# KiCad board hackboard.kicad_pcb (continued)
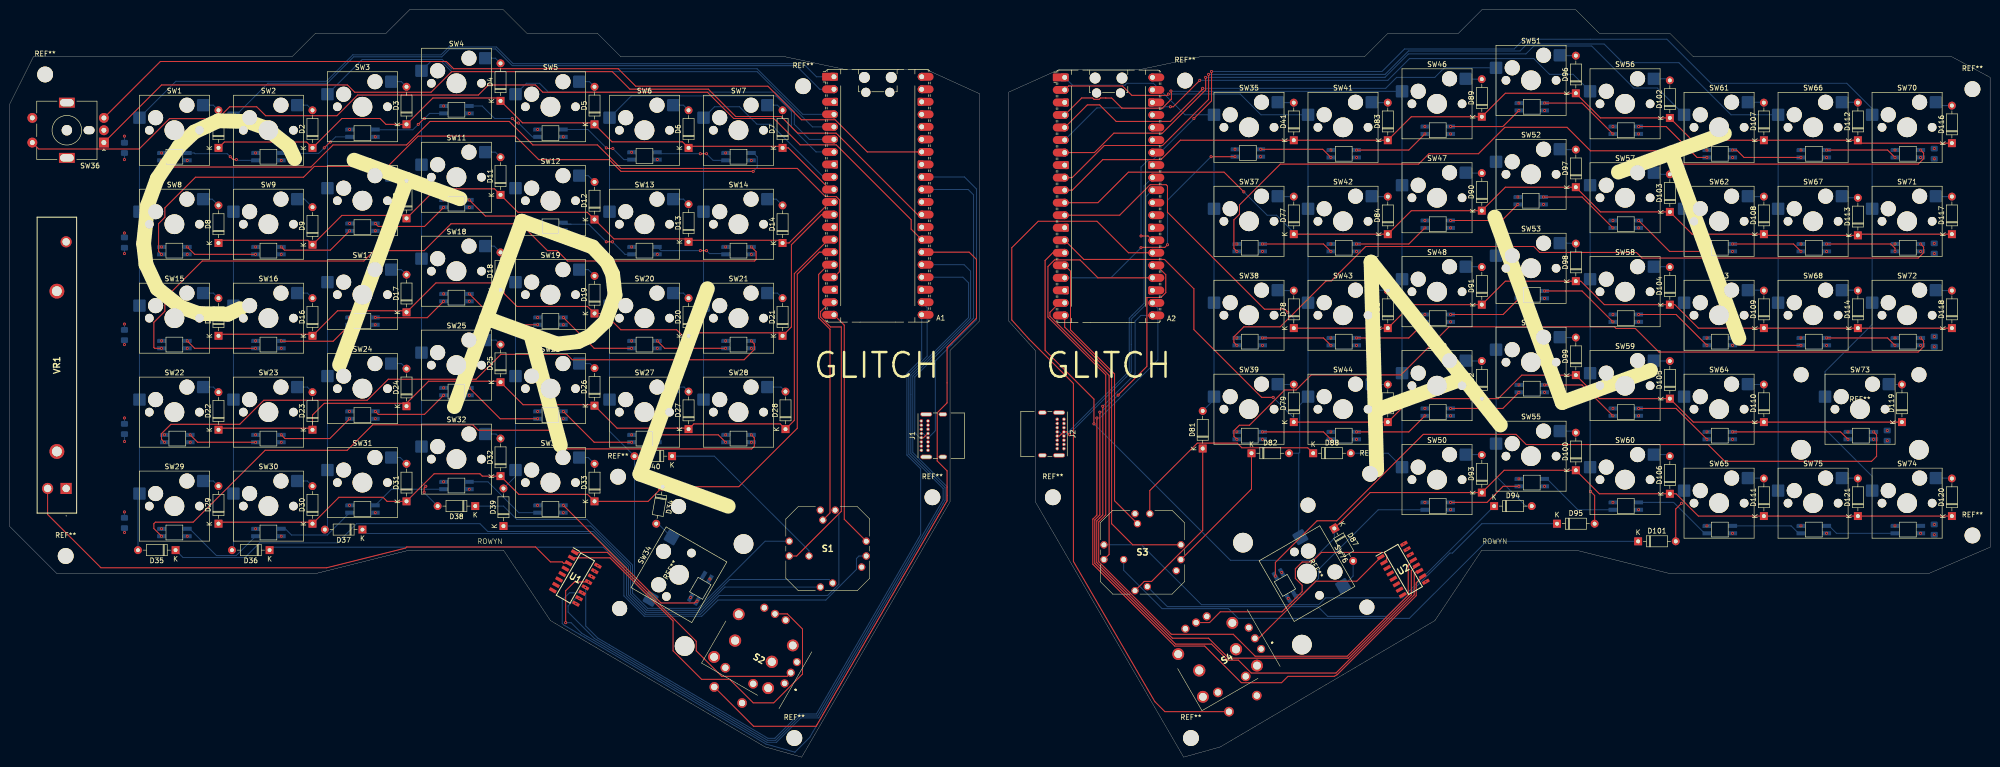
[diagram p0: board, top side]
## Footprints (pads in the part's own frame, mm; a bottom-side part is the same pattern mirrored in y, then rotated)
C_0805_2012Metric_Pad1.18x1.45mm_HandSolder
  rrect 1.175x1.45 smd: 1(-1.038,0) 2(1.038,0)
D_DO-35_SOD27_P7.62mm_Horizontal
  rect 1.6x1.6 hole 0.8: 1(0,0)
  oval 1.6x1.6 hole 0.8: 2(7.62,0)
Hotswap_MX_1.00u
  round 1.75 hole 1.75 unplated: (-5.08,0) (5.08,0)
  round 3.05 hole 3.05 unplated: (-3.81,2.54) (2.54,5.08)
  round 4 hole 4 unplated: (0,0)
  rrect 2.55x2.5 smd far side: 1(-7.085,2.54) 2(5.842,5.08)
Hotswap_MX_2.00u
  round 1.75 hole 1.75 unplated: (-5.08,0) (5.08,0)
  round 3.05 hole 3.05 unplated: (-3.81,2.54) (2.54,5.08)
  round 4 hole 4 unplated: (0,0)
  rrect 2.55x2.5 smd far side: 1(-7.085,2.54) 2(5.842,5.08)
MountingHole_3.2mm_M3
  round 3.2 hole 3.2 unplated: (0,0)
RaspberryPi_Pico_Common_Unspecified
  round 2.2 hole 2.2 unplated: (-2.725,24) (2.725,24)
  round 1.85 hole 1.85 unplated: (-2.425,20.97) (2.425,20.97)
  custom 3.2x1.6 smd: 1(-9.69,24.13) 3(-9.69,19.05) 8(-9.69,6.35) 13(-9.69,-6.35) 18(-9.69,-19.05) 23(9.69,-19.05) 28(9.69,-6.35) 33(9.69,6.35) 38(9.69,19.05)
  rrect 1.6x1.6 hole 1: 1(-8.89,24.13)
  rrect 3.2x1.6 smd: 2(-9.69,21.59) 4(-9.69,16.51) 5(-9.69,13.97) 6(-9.69,11.43) 7(-9.69,8.89) 9(-9.69,3.81) 10(-9.69,1.27) 11(-9.69,-1.27) 12(-9.69,-3.81) 14(-9.69,-8.89) 15(-9.69,-11.43) 16(-9.69,-13.97) 17(-9.69,-16.51) 19(-9.69,-21.59) 20(-9.69,-24.13) 21(9.69,-24.13) 22(9.69,-21.59) 24(9.69,-16.51) 25(9.69,-13.97) 26(9.69,-11.43) 27(9.69,-8.89) 29(9.69,-3.81) 30(9.69,-1.27) 31(9.69,1.27) 32(9.69,3.81) 34(9.69,8.89) 35(9.69,11.43) 36(9.69,13.97) 37(9.69,16.51) 39(9.69,21.59) 40(9.69,24.13)
  round 1.6 hole 1: 2(-8.89,21.59) 4(-8.89,16.51) 5(-8.89,13.97) 6(-8.89,11.43) 7(-8.89,8.89) 9(-8.89,3.81) 10(-8.89,1.27) 11(-8.89,-1.27) 12(-8.89,-3.81) 14(-8.89,-8.89) 15(-8.89,-11.43) 16(-8.89,-13.97) 17(-8.89,-16.51) 19(-8.89,-21.59) 20(-8.89,-24.13) 21(8.89,-24.13) 22(8.89,-21.59) 24(8.89,-16.51) 25(8.89,-13.97) 26(8.89,-11.43) 27(8.89,-8.89) 29(8.89,-3.81) 30(8.89,-1.27) 31(8.89,1.27) 32(8.89,3.81) 34(8.89,8.89) 35(8.89,11.43) 36(8.89,13.97) 37(8.89,16.51) 39(8.89,21.59) 40(8.89,24.13)
  custom 1.6x1.6 hole 1: 3(-8.89,19.05) 8(-8.89,6.35) 13(-8.89,-6.35) 18(-8.89,-19.05) 23(8.89,-19.05) 28(8.89,-6.35) 33(8.89,6.35) 38(8.89,19.05)
RKJXT1F42001
  round 1.5 hole 1: 1(-1.5,-7.8) 2(1,-6.98) 3(6.86,-3.75) 4(7.8,-1.5) 5(7.8,1.5) 6(1.5,7.8) 7(-1,5.78) 8(-1.5,7.8) 9(-7.8,1.5) 10(-7.8,-1.5) 11(-3.8,-1.5)
RKJXV122400R
  round 1.95 hole 1.3: A1(-11.98,-3.25) B1(-11.98,-7.75) C1(-5.48,-3.25) D1(-5.48,-7.75)
  round 1.65 hole 1.1: A11(0,0) A12(0,2.5) A13(0,5) B11(-6.23,11.23) B12(-8.73,11.23) B13(-11.23,11.23)
  round 2.4 hole 1.6: MH1(-15.055,-2.5) MH2(-15.055,7.5) MH3(-2.405,-2.5) MH4(-2.405,7.5)
  round 2.475 hole 1.65: MH5(-13.03,2.5) MH6(-4.43,2.5)
RKJXV122400R#2
  round 1.95 hole 1.3: A1(-11.98,-3.25) B1(-11.98,-7.75) C1(-5.48,-3.25) D1(-5.48,-7.75)
  round 1.65 hole 1.1: A11(0,0) A12(0,2.5) A13(0,5) B11(-6.23,11.23) B12(-8.73,11.23) B13(-11.23,11.23)
  round 2.4 hole 1.6: MH1(-15.055,-2.5) MH2(-15.055,7.5) MH3(-2.405,-2.5) MH4(-2.405,7.5)
  round 2.475 hole 1.65: MH5(-13.03,2.5) MH6(-4.43,2.5)
RotaryEncoder_Alps_EC11E-Switch_Vertical_H20mm_MountingHoles
  oval 2.2x1.6 hole 2.2x1.6 unplated: (3,-2.5)
  round 2.1 hole 2.1 unplated: (7.5,-2.5)
  rect 2x2 hole 1: A(0,0)
  round 2 hole 1: B(0,-5) C(0,-2.5) S1(14.5,-5) S2(14.5,0)
  rect 3.2x2 hole 2.8x1.5: MP(7.5,3.1) MP(7.5,-8.1)
RS45111A900F
  rect 2.25x2.25 hole 1.5: 1(0,0)
  round 2.25 hole 1.5: 2(0,3.75) 3(50,0)
  round 3 hole 2: 4(7.5,1.875) 5(40,1.875)
SK6812MINI-E
  rect 1.8x0.82 smd: 1(-2.6,0.75) 3(2.6,-0.75) 4(-2.6,-0.75)
  rrect 1.8x0.82 smd: 2(2.6,0.75)
SK6812MINI-E#2
  rect 1.8x0.82 smd: 1(-2.6,0.75) 3(2.6,-0.75) 4(-2.6,-0.75)
  rrect 1.8x0.82 smd: 2(2.6,0.75)
SOIC127P600X175-16N
  rect 1.5x0.65 smd: 1(-2.7,4.445) 2(-2.7,3.175) 3(-2.7,1.905) 4(-2.7,0.635) 5(-2.7,-0.635) 6(-2.7,-1.905) 7(-2.7,-3.175) 8(-2.7,-4.445) 9(2.7,-4.445) 10(2.7,-3.175) 11(2.7,-1.905) 12(2.7,-0.635) 13(2.7,0.635) 14(2.7,1.905) 15(2.7,3.175) 16(2.7,4.445)
Stabilizer_MX_2.00u
  round 3.048 hole 3.048 unplated: (-11.938,6.985) (11.938,6.985)
  round 3.988 hole 3.988 unplated: (-11.938,-8.225) (11.938,-8.225)
USB_C_Receptacle_GCT_USB4085
  round 0.7 hole 0.4: A1(0,0) A4(0.85,0) A5(1.7,0) A6(2.55,0) A7(3.4,0) A8(4.25,0) A9(5.1,0) A12(5.95,0) B1(5.95,-1.35) B4(5.1,-1.35) B5(4.25,-1.35) B6(3.4,-1.35) B7(2.55,-1.35) B8(1.7,-1.35) B9(0.85,-1.35) B12(0,-1.35)
  oval 0.9x2.4 hole 0.6x2.1: S1(-1.35,-0.98) S1(7.3,-0.98)
  oval 0.9x1.7 hole 0.6x1.4: S1(-1.35,-4.36) S1(7.3,-4.36)

## Nets
+3V3: A1.36 A1.39 A2.36 A2.39
+5V: A1.40 A2.40 C35.1 C36.1 C37.1 C38.1 C39.1 C40.1 C41.1 C42.1 C43.1 C44.1 D42.4 D43.4 D44.4 D45.4 D46.4 D47.4 D48.4 D49.4 D50.4 D51.4 D52.4 D53.4 D54.4 D55.4 D56.4 D57.4 D58.4 D59.4 D60.4 D61.4 D62.4 D63.4 D64.4 D65.4 D66.4 D67.4 D68.4 D69.4 D70.4 D71.4 D72.4 D73.4 D74.4 D75.4 D80.4 D115.4 D122.4 D123.4 D124.4 D125.4 D126.4 D127.4 D128.4 D129.4 D132.4 D133.4 D134.4 D135.4 D136.4 D137.4 D138.4 D139.4 D140.4 D141.4 D144.4 D145.4 D146.4 D147.4 D148.4 D149.4 D150.4 D151.4 D152.4 D153.4 D154.4 D155.4 D156.4 D157.4 D158.4 D159.4 D160.4 D161.4 J1.A4 J1.A9 J1.B4 J1.B9 J2.A4 J2.A9 J2.B4 J2.B9 S2.A11 S2.B11 S4.A11 S4.B11 U1.15 U1.16 U2.15 U2.16 VR1.1
GND: A1.3 A1.8 A1.13 A1.18 A1.23 A1.28 A1.38 A2.3 A2.8 A2.13 A2.18 A2.23 A2.28 A2.38 C35.2 C36.2 C37.2 C38.2 C39.2 C40.2 C41.2 C42.2 C43.2 C44.2 D42.2 D43.2 D44.2 D45.2 D46.2 D47.2 D48.2 D49.2 D50.2 D51.2 D52.2 D53.2 D54.2 D55.2 D56.2 D57.2 D58.2 D59.2 D60.2 D61.2 D62.2 D63.2 D64.2 D65.2 D66.2 D67.2 D68.2 D69.2 D70.2 D71.2 D72.2 D73.2 D74.2 D75.2 D80.2 D115.2 D122.2 D123.2 D124.2 D125.2 D126.2 D127.2 D128.2 D129.2 D132.2 D133.2 D134.2 D135.2 D136.2 D137.2 D138.2 D139.2 D140.2 D141.2 D144.2 D145.2 D146.2 D147.2 D148.2 D149.2 D150.2 D151.2 D152.2 D153.2 D154.2 D155.2 D156.2 D157.2 D158.2 D159.2 D160.2 D161.2 J1.A1 J1.A12 J1.B1 J1.B12 J1.S1 J2.A1 J2.A12 J2.B1 J2.B12 J2.S1 S1.3 S1.8 S2.A13 S2.B13 S2.C1 S3.3 S3.8 S4.A13 S4.B13 S4.C1 SW36.C SW36.S1 U1.9 U1.14 U2.9 U2.14 VR1.3
COL0: A1.1 D35.2 SW1.1 SW8.1 SW15.1 SW22.1 SW29.1
COL0b: A2.1 D81.2 SW35.1 SW37.1 SW38.1 SW39.1
COL1: A1.2 D36.2 SW2.1 SW9.1 SW16.1 SW23.1 SW30.1
COL1b: A2.2 D82.2 SW41.1 SW42.1 SW43.1 SW44.1 SW76.1
COL2: A1.4 D37.2 SW3.1 SW10.1 SW17.1 SW24.1 SW31.1
COL2b: A2.4 D88.2 SW46.1 SW47.1 SW48.1 SW49.1 SW50.1
COL3: A1.5 D38.2 SW4.1 SW11.1 SW18.1 SW25.1 SW32.1
COL3b: A2.5 D94.2 SW51.1 SW52.1 SW53.1 SW54.1 SW55.1
COL4: A1.6 D39.2 SW5.1 SW12.1 SW19.1 SW26.1 SW33.1
COL4b: A2.6 D95.2 SW56.1 SW57.1 SW58.1 SW59.1 SW60.1
COL5: A1.7 D40.2 SW6.1 SW13.1 SW20.1 SW27.1 SW34.1
COL5b: A2.7 D101.2 SW61.1 SW62.1 SW63.1 SW64.1 SW65.1
COL6: A1.9 SW7.1 SW14.1 SW21.1 SW28.1
COL6b: A2.9 SW66.1 SW67.1 SW68.1 SW75.1
COL7b: A2.27 SW70.1 SW71.1 SW72.1 SW73.1 SW74.1
EC1A: A1.19 S1.10
EC1B: A1.20 S1.5
EC2A: A1.29 SW36.A
EC2B: A1.34 SW36.B
EC3A: A2.19 S3.10
EC3B: A2.20 S3.5
ECROW: A1.16 S1.7
ECROWb: A2.16 S3.7
Push1: A1.26 S2.B1
Push2: A1.27 SW36.S2
Push3: A2.26 S4.B1
RGB: A1.17 D42.3
RGBb: A2.17 D80.3
ROW0: A1.10 D1.1 D2.1 D3.1 D4.1 D5.1 D6.1 D7.1
ROW0b: A2.10 D41.1 D83.1 D89.1 D96.1 D102.1 D107.1 D112.1 D116.1
ROW1: A1.11 D8.1 D9.1 D10.1 D11.1 D12.1 D13.1 D14.1
ROW1b: A2.11 D77.1 D84.1 D90.1 D97.1 D103.1 D108.1 D113.1 D117.1
ROW2: A1.12 D15.1 D16.1 D17.1 D18.1 D19.1 D20.1 D21.1
ROW2b: A2.12 D78.1 D85.1 D91.1 D98.1 D104.1 D109.1 D114.1 D118.1
ROW3: A1.14 D22.1 D23.1 D24.1 D25.1 D26.1 D27.1 D28.1
ROW3b: A2.14 D79.1 D86.1 D92.1 D99.1 D105.1 D110.1 D119.1
ROW4: A1.15 D29.1 D30.1 D31.1 D32.1 D33.1 D34.1
ROW4b: A2.15 D87.1 D93.1 D100.1 D106.1 D111.1 D120.1 D121.1
Net-(A1-GPIO16): A1.21 U1.12
Net-(A1-GPIO17): A1.22 U1.10
Net-(A1-GPIO18): A1.24 U1.13
Net-(A1-GPIO19): A1.25 U1.11
Net-(A1-GPIO26_ADC0): A1.31 J1.A6 J1.B6
Net-(A1-GPIO27_ADC1): A1.32 J1.A7 J1.B7
Net-(A2-GPIO16): A2.21 U2.12
Net-(A2-GPIO17): A2.22 U2.10
Net-(A2-GPIO18): A2.24 U2.13
Net-(A2-GPIO19): A2.25 U2.11
Net-(A2-GPIO26_ADC0): A2.31 J2.A6 J2.B6
Net-(A2-GPIO27_ADC1): A2.32 J2.A7 J2.B7
Net-(D1-A): D1.2 SW1.2
Net-(D2-A): D2.2 SW2.2
Net-(D3-A): D3.2 SW3.2
Net-(D4-A): D4.2 SW4.2
Net-(D5-A): D5.2 SW5.2
Net-(D6-A): D6.2 SW6.2
Net-(D7-A): D7.2 SW7.2
Net-(D8-A): D8.2 SW8.2
Net-(D9-A): D9.2 SW9.2
Net-(D10-A): D10.2 SW10.2
Net-(D11-A): D11.2 SW11.2
Net-(D12-A): D12.2 SW12.2
Net-(D13-A): D13.2 SW13.2
Net-(D14-A): D14.2 SW14.2
Net-(D15-A): D15.2 SW15.2
Net-(D16-A): D16.2 SW16.2
Net-(D17-A): D17.2 SW17.2
Net-(D18-A): D18.2 SW18.2
Net-(D19-A): D19.2 SW19.2
Net-(D20-A): D20.2 SW20.2
Net-(D21-A): D21.2 SW21.2
Net-(D22-A): D22.2 SW22.2
Net-(D23-A): D23.2 SW23.2
Net-(D24-A): D24.2 SW24.2
Net-(D25-A): D25.2 SW25.2
Net-(D26-A): D26.2 SW26.2
Net-(D27-A): D27.2 SW27.2
Net-(D28-A): D28.2 SW28.2
Net-(D29-A): D29.2 SW29.2
Net-(D30-A): D30.2 SW30.2
Net-(D31-A): D31.2 SW31.2
Net-(D32-A): D32.2 SW32.2
Net-(D33-A): D33.2 SW33.2
Net-(D34-A): D34.2 SW34.2
Net-(D35-K): D35.1 S1.1
Net-(D36-K): D36.1 S1.4
Net-(D37-K): D37.1 S1.6
Net-(D38-K): D38.1 S1.9
Net-(D39-K): D39.1 S1.2
Net-(D40-K): D40.1 S1.11
Net-(D41-A): D41.2 SW35.2
Net-(D42-DOUT): D42.1 D43.3
Net-(D43-DOUT): D43.1 D44.3
Net-(D44-DOUT): D44.1 D45.3
Net-(D45-DOUT): D45.1 D46.3
Net-(D46-DOUT): D46.1 D47.3
Net-(D47-DOUT): D47.1 D48.3
Net-(D48-DOUT): D48.1 D49.3
Net-(D49-DOUT): D49.1 D50.3
Net-(D50-DOUT): D50.1 D51.3
Net-(D51-DOUT): D51.1 D52.3
Net-(D52-DOUT): D52.1 D53.3
Net-(D53-DOUT): D53.1
Net-(D54-DOUT): D55.3
Net-(D55-DOUT): D55.1 D56.3
Net-(D56-DOUT): D56.1 D57.3
Net-(D57-DOUT): D57.1 D58.3
Net-(D58-DOUT): D58.1 D59.3
Net-(D59-DOUT): D59.1 D60.3
Net-(D60-DOUT): D60.1 D61.3
Net-(D61-DOUT): D61.1 D62.3
Net-(D62-DOUT): D62.1 D63.3
Net-(D63-DOUT): D63.1 D64.3
Net-(D64-DOUT): D64.1 D65.3
Net-(D65-DOUT): D65.1 D66.3
Net-(D66-DOUT): D66.1 D67.3
Net-(D67-DOUT): D67.1 D68.3
Net-(D68-DOUT): D68.1 D69.3
Net-(D69-DOUT): D69.1 D70.3
Net-(D70-DOUT): D70.1 D71.3
Net-(D71-DOUT): D71.1 D72.3
Net-(D72-DOUT): D72.1 D73.3
Net-(D73-DOUT): D73.1 D74.3
Net-(D74-DOUT): D74.1
Net-(D77-A): D77.2 SW37.2
Net-(D78-A): D78.2 SW38.2
Net-(D79-A): D79.2 SW39.2
Net-(D81-K): D81.1 S3.1
Net-(D82-K): D82.1 S3.4
Net-(D83-A): D83.2 SW41.2
Net-(D84-A): D84.2 SW42.2
Net-(D85-A): D85.2 SW43.2
Net-(D86-A): D86.2 SW44.2
Net-(D87-A): D87.2 SW76.2
Net-(D88-K): D88.1 S3.6
Net-(D89-A): D89.2 SW46.2
Net-(D90-A): D90.2 SW47.2
Net-(D91-A): D91.2 SW48.2
Net-(D92-A): D92.2 SW49.2
Net-(D93-A): D93.2 SW50.2
Net-(D94-K): D94.1 S3.9
Net-(D95-K): D95.1 S3.2
Net-(D96-A): D96.2 SW51.2
Net-(D97-A): D97.2 SW52.2
Net-(D98-A): D98.2 SW53.2
Net-(D99-A): D99.2 SW54.2
Net-(D100-A): D100.2 SW55.2
Net-(D101-K): D101.1 S3.11
Net-(D102-A): D102.2 SW56.2
Net-(D103-A): D103.2 SW57.2
Net-(D104-A): D104.2 SW58.2
Net-(D105-A): D105.2 SW59.2
Net-(D106-A): D106.2 SW60.2
Net-(D107-A): D107.2 SW61.2
Net-(D108-A): D108.2 SW62.2
Net-(D109-A): D109.2 SW63.2
Net-(D110-A): D110.2 SW64.2
Net-(D111-A): D111.2 SW65.2
Net-(D112-A): D112.2 SW66.2
Net-(D113-A): D113.2 SW67.2
Net-(D114-A): D114.2 SW68.2
Net-(D115-DIN): D80.1 D115.3
Net-(D115-DOUT): D115.1 D122.3
Net-(D116-A): D116.2 SW70.2
Net-(D117-A): D117.2 SW71.2
Net-(D118-A): D118.2 SW72.2
Net-(D119-A): D119.2 SW73.2
Net-(D120-A): D120.2 SW74.2
Net-(D121-A): D121.2 SW75.2
Net-(D122-DOUT): D122.1 D123.3
Net-(D123-DOUT): D123.1 D124.3
Net-(D124-DOUT): D124.1 D125.3
Net-(D125-DOUT): D125.1 D126.3
Net-(D126-DOUT): D126.1 D127.3
Net-(D127-DOUT): D127.1 D128.3
Net-(D128-DOUT): D128.1 D129.3
Net-(D129-DOUT): D129.1 D132.3
Net-(D132-DOUT): D132.1 D133.3
Net-(D133-DOUT): D133.1 D134.3
Net-(D134-DOUT): D134.1 D135.3
Net-(D135-DOUT): D135.1 D136.3
Net-(D136-DOUT): D136.1 D137.3
Net-(D137-DOUT): D137.1 D138.3
Net-(D138-DOUT): D138.1 D139.3
Net-(D139-DOUT): D139.1 D140.3
Net-(D140-DOUT): D140.1 D141.3
Net-(D141-DOUT): D141.1 D144.3
Net-(D144-DOUT): D144.1 D145.3
Net-(D145-DOUT): D145.1 D146.3
Net-(D146-DOUT): D146.1 D147.3
Net-(D147-DOUT): D147.1 D148.3
Net-(D148-DOUT): D148.1 D149.3
Net-(D149-DOUT): D149.1 D150.3
Net-(D150-DOUT): D150.1 D151.3
Net-(D151-DOUT): D151.1 D152.3
Net-(D152-DOUT): D152.1 D153.3
Net-(D153-DOUT): D153.1 D154.3
Net-(D154-DOUT): D154.1 D155.3
Net-(D155-DOUT): D155.1 D156.3
Net-(D156-DOUT): D156.1 D157.3
Net-(D157-DOUT): D157.1 D158.3
Net-(D158-DOUT): D158.1 D159.3
Net-(D159-DOUT): D159.1 D160.3
Net-(D160-DOUT): D160.1 D161.3
Net-(D161-DOUT): D161.1
Net-(U1-CH0): S2.A12 U1.1
Net-(U1-CH1): S2.B12 U1.2
Net-(U1-CH2): U1.3 VR1.2
Net-(U2-CH0): S4.A12 U2.1
Net-(U2-CH1): S4.B12 U2.2

Pads without a net: A1 30 33 35 37; A2 29 30 33 34 35 37; D54 1 3; D75 1 3; J1 A5 A8 B5 B8; J2 A5 A8 B5 B8; S2 A1 D1 MH1 MH2 MH3 MH4 MH5 MH6; S4 A1 D1 MH1 MH2 MH3 MH4 MH5 MH6; SW36 MP; U1 4 5 6 7 8; U2 3 4 5 6 7 8; VR1 4 5

## Via types
v1: diameter 0.6, hole 0.3, Top to Bottom, 327 vias

## Routing (per net, layer and track width the routed paths; a pad name or vN(x,y) marks a point on that pad's centre or on a via; arc(x,y) is an arc through that point)
+5V: length 33.7
  In1.Cu w0.2: 214.91,63.4 J2.A9 J2.B4 210.74,63.4 210.74,66.97 211.34,67.57 ; 214.91,67.57 211.34,67.57 ; 184.21,67.31 J1.B4 186.67,67.31 186.93,67.57 186.93,62.81 186.67,63.06 J1.B9 J1.A4 184.21,63.06 183.95,62.81 183.36,62.81 ; 184.21,67.31 183.36,68.16 ; 184.21,67.31 J1.A9 ; 184.21,67.31 183.95,67.57 ; J2.A4 J2.B9 211.42,67.65 211.34,67.57
  Bottom w0.2: C37.1 v1(23.22,64) ; C39.1 v1(23.22,102.1) ; C38.1 v1(23.22,83.64) ; C35.1 v1(23.22,121.15) ; C36.1 v1(23.22,45.54)
  vias: v1(35.94,120.99) v1(35.94,101.94) v1(35.94,82.89) v1(35.94,44.79) v1(36.53,63.84) v1(54.99,120.99) v1(54.99,101.94) v1(54.99,82.89) v1(54.99,63.84) v1(54.99,44.79) v1(74.04,125.75) v1(74.04,106.7) v1(74.04,87.65) v1(74.04,68.6) v1(74.04,49.55) v1(93.09,130.52) v1(93.09,111.47) v1(93.09,92.42) v1(93.09,73.37) v1(93.09,54.32) v1(112.14,125.75) v1(112.14,106.86) v1(112.14,87.65) v1(112.14,68.6) v1(112.14,49.55) v1(118.51,37.71) v1(119.14,38.81) v1(131.19,121.15) v1(131.19,101.94) v1(131.19,82.89) v1(131.19,63.84) v1(141.85,36.11) v1(150.24,120.99) v1(150.24,101.94) v1(150.24,82.89) v1(150.24,63.84) v1(253.45,121.74) v1(253.82,102.54) v1(253.82,83.49) v1(253.82,64.44) v1(259.02,32.2) v1(272.87,121.59) v1(272.87,102.54) v1(272.87,83.49) v1(272.87,64.44) v1(282.46,43.25) v1(283.1,42.15) v1(291.92,126.35) v1(291.92,107.3) v1(291.92,88.25) v1(291.92,69.2) v1(291.92,50.15) v1(310.75,112.06) v1(310.97,131.11) v1(310.97,93.01) v1(310.97,73.96) v1(310.97,54.91) v1(330.02,126.35) v1(330.02,107.3) v1(330.02,88.25) v1(330.02,69.2) v1(330.02,50.15) v1(349.07,121.59) v1(349.07,102.54) v1(349.07,83.49) v1(349.07,64.44) v1(349.07,45.39) v1(368.12,121.59) v1(368.12,102.54) v1(368.12,83.49) v1(368.12,45.39) v1(377.65,64.44) v1(380.41,64.15) v1(387.17,121.59) v1(387.17,102.54) v1(387.17,83.49) v1(387.17,45.39) v1(389.93,121.3) v1(389.93,102.1) v1(389.93,83.2) v1(389.93,45.1)
GND: length 5.8
  Bottom w0.2: C35.2 v1(23.22,125.91) ; C37.2 v1(23.22,68.76) ; C39.2 v1(23.22,106.26) ; C36.2 v1(23.22,49.71) ; C38.2 v1(23.22,87.81)
  vias: v1(30.74,122.49) v1(30.74,103.44) v1(30.74,84.39) v1(30.74,46.29) v1(31.33,65.34) v1(49.79,122.49) v1(49.79,103.44) v1(49.79,84.39) v1(49.79,65.34) v1(49.79,46.29) v1(68.84,127.25) v1(68.84,108.2) v1(68.84,89.15) v1(68.84,70.1) v1(68.84,51.05) v1(87.89,132.02) v1(87.89,112.97) v1(87.89,93.92) v1(87.89,74.87) v1(87.89,55.82) v1(106.94,127.25) v1(106.94,108.36) v1(106.94,89.15) v1(106.94,70.1) v1(106.94,51.05) v1(114.7,31.11) v1(117.87,36.61) v1(125.99,122.65) v1(125.99,103.44) v1(125.99,84.39) v1(125.99,65.34) v1(137.95,32.35) v1(145.04,122.49) v1(145.04,103.44) v1(145.04,84.39) v1(145.04,65.34) v1(248.25,123.24) v1(248.62,104.04) v1(248.62,84.99) v1(248.62,65.94) v1(257.72,37.45) v1(267.67,123.09) v1(267.67,104.04) v1(267.67,84.99) v1(267.67,65.94) v1(283.73,41.05) v1(286.72,127.85) v1(286.72,108.8) v1(286.72,89.75) v1(286.72,70.7) v1(286.72,51.65) v1(286.91,35.55) v1(305.55,113.56) v1(305.77,132.61) v1(305.77,94.51) v1(305.77,75.46) v1(305.77,56.41) v1(324.82,127.85) v1(324.82,108.8) v1(324.82,89.75) v1(324.82,70.7) v1(324.82,51.65) v1(343.87,123.09) v1(343.87,104.04) v1(343.87,84.99) v1(343.87,65.94) v1(343.87,46.89) v1(362.92,123.09) v1(362.92,104.04) v1(362.92,84.99) v1(362.92,46.89) v1(372.45,65.94) v1(380.41,66.22) v1(381.97,123.09) v1(381.97,104.04) v1(381.97,84.99) v1(381.97,46.89) v1(389.93,123.37) v1(389.93,104.17) v1(389.93,85.27) v1(389.93,47.17)
COL0: length 237
  Bottom w0.2: A1.1 163.44,137.95 160.79,140.6 101.96,140.6 98.58,143.98 88.94,143.98 87.34,142.38 69.49,142.38 64.13,137.03 33.64,137.03 SW1.1 SW29.1 26.25,52.74 25.96,52.45 D35.2
COL0b: length 94.7
  Bottom w0.2: D81.2 243.99,72.48 SW39.1 SW35.1 238.11,130.23 231.72,136.62 226.34,136.62 225.95,136.23 215.31,136.23 A2.1
COL1: length 218.6
  Bottom w0.2: A1.2 164.12,135.41 159.33,140.2 101.8,140.2 98.41,143.58 89.11,143.58 87.51,141.98 69.65,141.98 64.29,136.62 52.29,136.62 SW2.1 SW30.1 45.3,42.27 D36.2
COL1b: length 140.8
  Top w0.2: v1(234.75,134.44) 234.48,134.17 227.33,134.17 225.43,136.08 214.53,136.08 A2.2
  Bottom w0.2: SW76.1 261.16,44.94 261.16,61.62 ; v1(234.75,134.44) 249.3,134.44 253.5,130.23 SW41.1 SW44.1 261.34,71.39 261.34,61.8 261.16,61.62 ; 261.16,61.62 D82.2
COL2: length 198.6
  Bottom w0.2: A1.4 160.65,130.33 151.4,139.57 89.49,139.57 87.62,141.44 71.39,141.44 SW3.1 SW31.1 64.35,46.67 D37.2
COL2b: length 161.2
  Top w0.2: v1(235.26,135.06) 235.35,134.97 235.35,133.41 233.51,131.58 225.31,131.58 223.26,133.63 222.06,133.63 222.05,133.65 220.99,133.65 220.72,133.38 219.67,133.38 219.4,133.65 217.18,133.65 A2.4
  Bottom w0.2: v1(235.26,135.06) 235.32,135 SW46.1 SW50.1 279.27,61.62 D88.2
COL3: length 179.7
  Top w0.2: v1(84.28,54.92) 83.94,54.58 v1(83.94,53.72)
  Bottom w0.2: D38.2 83.94,53.64 v1(83.94,53.72) ; v1(84.28,54.92) 83.4,55.8 SW32.1 SW4.1 85.28,141.04 87.45,141.04 89.52,138.98 151.43,138.98 162.62,127.79 A1.5
COL3b: length 187.8
  Top w0.2: v1(241.7,135.6) 241.54,135.44 241.54,135.28 235.15,128.89 224.17,128.89 220.82,132.24 218.31,132.24 A2.5
  Bottom w0.2: D94.2 307.18,50.9 301.14,56.94 SW55.1 301.14,139.76 290.67,139.76 288.73,137.82 280.99,137.82 278.77,135.6 v1(241.7,135.6)
COL4: length 152.6
  Bottom w0.2: D39.2 102.45,56.91 SW33.1 SW5.1 104.67,136.62 107.32,136.62 109.14,134.81 125.58,134.81 125.61,134.84 155,134.84 158.95,130.89 158.95,128.29 161.99,125.25 A1.6
COL4b: length 204.1
  Top w0.2: v1(235.15,131.86) 235.74,131.86 v1(241.1,137.22) ; D95.2 321.11,53.04 v1(320.28,53.88)
  Bottom w0.2: v1(320.28,53.88) 320.19,53.96 SW60.1 SW56.1 316.74,138.45 311.97,138.45 308.78,141.64 283.62,141.64 279.2,137.22 v1(241.1,137.22) ; A2.6 220.24,131.63 233.73,131.63 233.96,131.86 v1(235.15,131.86)
COL5: length 154.9
  Bottom w0.2: A1.7 163.34,122.71 158.35,127.69 158.35,130.92 155.22,134.06 125.92,134.06 SW6.1 SW27.1 121.5,66.08 D40.2 126.56,35.38 SW34.1
COL5b: length 228.9
  Top w0.2: v1(242.29,137.82) 242.3,137.81 242.3,135.29 233.52,126.5 223.69,126.5 219.76,122.58 A2.7 ; v1(338.7,51.46) 337.54,50.3 D101.2
  Bottom w0.2: v1(242.29,137.82) 242.29,137.82 278.6,137.82 278.61,137.82 283.37,142.58 307.18,142.58 308.78,144.18 320.52,144.18 329.04,135.66 333.81,135.66 SW61.1 SW65.1 339.24,52 v1(338.7,51.46)
COL6: length 90.4
  Bottom w0.2: A1.9 164.95,117.63 164.9,117.57 154.15,128.33 151.38,128.33 147.84,131.86 142.77,131.86 SW7.1 SW28.1
COL6b: length 240.9
  Top w0.2: A2.9 215.24,117.5 221.76,124.01 233.57,124.01 242.89,133.34 242.89,138.42 v1(242.89,138.42)
  Bottom w0.2: v1(242.89,138.42) 278.65,138.42 283.4,143.17 305.99,143.17 307.39,144.58 323.04,144.58 326.83,140.79 338.2,140.79 348.75,130.23 SW66.1 SW75.1
COL7b: length 270.3
  Top w0.2: A2.27 230.64,105.67 v1(229.2,105.67) ; v1(239.91,129.48) 243.49,133.06 243.49,139.02 v1(243.48,139.02)
  Bottom w0.2: v1(229.2,105.67) 229.2,119.64 230.7,121.14 231.63,121.14 239.91,129.42 v1(239.91,129.48) ; SW74.1 377.34,56.94 367.8,66.48 SW73.1 367.8,78.18 377.34,87.72 SW72.1 SW70.1 377.34,131.48 372.2,136.62 344.69,136.62 335.76,145.55 306.78,145.55 304.8,143.57 282.58,143.57 278.01,139.01 243.5,139.01 v1(243.48,139.02)
EC1A: length 60.5
  Top w0.2: A1.19 164.28,90.32 164.28,89.23 166.29,87.21 168.47,87.21 168.47,49.84 159.41,40.78 S1.10
EC1B: length 48.6
  Top w0.2: A1.20 169.07,87.6 169.07,48.24 S1.5
EC2A: length 184.9
  Top w0.2: A1.29 183.93,110.01 167.43,126.5 159.65,126.5 156.28,129.88 147.07,129.88 141.52,135.43 125.61,135.43 122.07,138.98 89.51,138.98 85.35,134.81 69.87,134.81 68.4,136.28 30.73,136.28 SW36.A
EC2B: length 178
  Top w0.2: A1.34 173.73,122.71 167.21,129.22 160.4,129.22 153.59,136.03 126.8,136.03 123.26,139.57 89.92,139.57 88.45,141.04 30.49,141.04 SW36.B
EC3A: length 59.3
  Top w0.2: S3.10 222.73,41.1 222.73,77.4 210.74,89.39 210.74,90.19 212.65,92.1 A2.19
EC3B: length 62
  Top w0.2: S3.5 227.52,43.05 223.24,47.33 223.24,77.69 213.73,87.2 A2.20
ECROW: length 55.3
  Top w0.2: S1.7 166.17,49.51 166.17,86.77 163.88,89.06 163.88,97.87 165.85,99.85 A1.16
ECROWb: length 58.5
  Top w0.2: S3.7 223.84,51.97 223.84,77.69 214.91,86.62 214.91,98.54 A2.16
Push1: length 141.6
  Top w0.2: A1.26 194.38,102.39 195.85,100.91 195.85,88.99 189.9,83.04 189.9,75.9 189.9,71.82 187.9,69.82 187.9,60.04 189.9,58.04 189.9,51.95 163.61,6.66 163.37,6.25 150.7,6.25 S2.B1
Push2: length 201.7
  Top w0.2: A1.27 182.63,107.06 182.63,108.95 167.43,124.14 160.12,124.14 154.78,129.48 146.67,129.48 141.34,134.81 107.97,134.81 106.5,136.28 96.95,136.28 94.92,134.24 70.47,134.24 66.28,130.05 51.82,130.05 50.01,131.86 44.54,131.86 42.13,129.45 32.34,129.45 26.19,123.3 5.85,123.3 SW36.S2
Push3: length 150.8
  Top w0.2: A2.26 226.66,102.26 220.27,108.64 208.37,108.64 203.01,103.29 203.01,88.64 206.53,84.73 215.5,75.75 215.5,39.67 232,11.26 234.03,9.22 S4.B1
RGB: length 164.9
  Top w0.2: A1.17 168.08,98.41 168.08,113 167.43,113.65 165.26,113.65 159.55,119.36 123.83,119.36 119.06,124.12 105.97,124.12 101.2,128.89 85.13,128.89 80.37,124.12 65.48,124.12 61,119.64 31.39,119.64 30.74,120.29 v1(30.74,120.99)
RGBb: length 50
  Top w0.2: v1(234.55,103.88) 234.03,103.36 229.26,103.36 v1(229.2,103.29) ; v1(243.39,121.74) v1(248.25,121.74)
  Bottom w0.2: v1(229.2,103.29) 223.08,97.18 A2.17 ; v1(234.55,103.88) 234.55,112.9 v1(243.39,121.74)
ROW0: length 138
  Top w0.2: A1.10 157.74,123.53 D7.1 156.25,123.84 137.83,123.84 D6.1 136.3,124.75 122.01,124.75 D5.1 118.15,128.61 103.86,128.61 D4.1 98.82,133.65 85.72,133.65 D3.1 76.2,128.29 75.01,129.48 67.27,129.48 D2.1 60.13,124.72 43.46,124.72 D1.1
ROW0b: length 192.1
  Top w0.2: A2.10 215.27,114.96 221.45,121.14 233.23,121.14 237.17,125.08 D41.1 D83.1 283.96,129.84 D89.1 303.01,134.6 D96.1 322.3,129.6 D102.1 340.88,125.08 D107.1 D112.1 375.05,124.48 D116.1
ROW1: length 138
  Top w0.2: A1.11 157.87,104.24 D14.1 156.01,104.79 137.83,104.79 D13.1 136.92,105.07 122.4,105.07 D12.1 117.01,110.46 102.96,110.46 D11.1 98.2,115.22 86.35,115.22 D10.1 79.77,109.84 67.27,109.84 D9.1 60.41,104.79 42.82,104.79 D8.1
ROW1b: length 195.8
  Top w0.2: D77.1 D84.1 283.96,110.79 D90.1 303.01,115.55 D97.1 322.3,110.55 D103.1 340.88,106.03 D108.1 355.64,105.79 D113.1 374.69,106.03 D117.1 ; v1(250.03,114.6) 246.03,118.6 226.65,118.6 220.46,112.42 A2.11
  Bottom w0.2: D77.1 260.15,106.38 256.66,109.87 254.76,109.87 v1(250.03,114.6)
ROW2: length 153.7
  Top w0.2: D15.1 42.58,85.74 61,85.74 D16.1 66.4,90.51 80.05,90.51 D17.1 86.32,96.14 97.99,96.14 D18.1 102.75,91.38 117.04,91.38 D19.1 120.49,89.95 123.79,86.65 135.11,86.65 136.33,85.43 D20.1 138.11,86.02 155.97,86.02 D21.1 158.35,87.21 158.35,103.88 164.48,110.01 A1.12
ROW2b: length 206.6
  Top w0.2: D78.1 D85.1 283.96,91.74 D91.1 303.01,96.5 D98.1 318.32,96.5 323.08,91.74 D104.1 337.37,91.74 342.13,86.98 D109.1 D114.1 D118.1 ; A2.12 224.87,109.88 231.05,116.06 234.29,116.06 234.55,115.79 234.55,110.48 254.21,90.82 258.33,90.82 v1(258.96,90.19)
  Bottom w0.2: v1(258.96,90.19) 260.15,89 D78.1
ROW3: length 169.9
  Top w0.2: D22.1 42.58,66.69 61,66.69 D23.1 61.32,69.35 63.7,71.74 79.77,71.74 D24.1 80.37,71.74 84.85,76.22 99.22,76.22 D25.1 103.98,71.46 118.27,71.46 D26.1 123.03,66.69 137.32,66.69 D27.1 138.59,67.57 156.09,67.57 D28.1 158.95,68.28 158.95,98.03 165.85,104.93 A1.14
ROW3b: length 198.2
  Top w0.2: D79.1 D86.1 283.96,72.69 D92.1 301.59,72.69 306.35,77.45 D99.1 322.06,72.69 D105.1 341.11,67.93 D110.1 D119.1 ; v1(255.97,72.94) 253.65,72.94 239.91,86.68 239.91,94.95 233.96,100.91 217.62,100.91 A2.14
  Bottom w0.2: D79.1 260.15,68.76 v1(255.97,72.94)
ROW4: length 170.6
  Top w0.2: D29.1 42.58,47.64 61,47.64 D30.1 66.67,52.69 75.6,52.69 76.44,51.85 D31.1 85.96,57.45 95.25,57.45 95.73,56.97 D32.1 103.11,53.28 117.04,53.28 D33.1 129.31,51.85 D34.1 147.7,54.83 159.54,66.68 159.54,97.93 164,102.39 A1.15
ROW4b: length 238.9
  Top w0.2: v1(219.66,67.57) 219.66,72.58 209.76,82.48 209.76,100.69 211.33,102.26 A2.15 ; D120.1 D121.1 D111.1 342.13,48.88 337.61,53.4 D106.1 322.06,53.4 D100.1 302.78,58.16 D93.1 275.63,53.64 D87.1
  Bottom w0.2: v1(219.66,67.57) 247.33,39.9 263.89,39.9 268.37,44.37 D87.1
Net-(A1-GPIO16): length 152.2
  Bottom w0.2: v1(116.6,34.41) 116.68,34.33 116.68,26.59 119.16,24.11 121.45,22.76 145.98,8.31 153.61,3.82 155,3.82 159.94,8.75 163.43,8.75 184.55,45.13 184.55,58.45 181.75,61.25 181.75,77.76 184.76,80.76 A1.21
Net-(A1-GPIO17): length 160.2
  Bottom w0.2: v1(115.33,32.21) 114.66,32.21 113.11,30.66 113.11,29.4 118.45,24.06 142.32,10 153.5,3.41 155.17,3.41 160.1,8.35 163.66,8.35 189.1,52.17 189.1,54.47 182.15,61.42 182.15,77.59 185.86,81.3 185.86,91.12 A1.22
Net-(A1-GPIO18): length 184.9
  Top w0.2: v1(117.24,35.51) 114.39,35.51 112.62,33.74 v1(112.62,27.26)
  Bottom w0.2: v1(112.62,27.26) 113.71,27.26 115.84,25.13 138.34,11.88 153.39,3.01 155.33,3.01 160.27,7.95 163.89,7.95 181.83,38.86 189.5,52.06 189.5,54.65 182.55,61.6 182.55,77.43 194.27,89.14 194.27,96.14 193.1,97.31 A1.24
Net-(A1-GPIO19): length 187.9
  Bottom w0.2: A1.25 193.35,99.85 194.67,98.52 194.67,88.97 182.96,77.26 182.96,61.76 189.9,54.82 189.9,51.95 162.08,4.02 159.06,1.01 153.23,2.64 112.19,26.82 111.92,27.09 111.92,31.85 113.38,33.31 v1(115.97,33.31)
Net-(A1-GPIO26_ADC0): length 67.6
  Top w0.2: J1.A6 185.12,64.76 185.97,65.61 J1.B6
  Bottom w0.2: J1.A6 184.38,64.76 183.36,65.78 183.36,77.09 195.26,89 195.26,114 194.18,115.09 A1.31
Net-(A1-GPIO27_ADC1): length 68.8
  Bottom w0.2: A1.32 193.42,117.63 195.85,115.19 195.85,88.65 190.97,83.77 ; 190.97,83.77 190.67,83.47 ; 190.97,83.77 187.52,80.32 187.52,66.18 186.11,64.76 J1.B7 185.91,64.76 185.06,65.61 J1.A7
Net-(A2-GPIO16): length 139.6
  Top w0.2: U2.12 283.96,37.82 283.96,32.88 271.15,20.06 246.94,20.06 242.89,24.11 235.57,24.11 220.23,39.45 220.23,47.88 221.45,49.11 v1(221.45,71.14)
  Bottom w0.2: v1(221.45,71.14) 228,77.69 228,88.4 229.16,89.56 A2.21
Net-(A2-GPIO17): length 146.4
  Top w0.2: U2.10 284.96,35.34 284.96,32.74 268.95,16.72 268.35,16.37 258.96,16.37 257.68,15.09 249.52,15.09 242.1,22.52 236.03,22.52 219.43,39.12 219.43,48.24 220.26,49.08 v1(220.26,68.76)
  Bottom w0.2: v1(220.26,68.76) 220.86,68.76 232.61,80.51 232.61,90.99 A2.22
Net-(A2-GPIO18): length 171.9
  Top w0.2: U2.13 283.34,38.93 283.34,32.82 270.98,20.46 252.33,20.46 247.88,24.91 235.34,24.91 220.63,39.62 220.63,47.69 222.05,49.11 222.05,77.51 210.34,89.22 210.34,99.48 211.67,100.82 216.83,100.82 220.47,97.18 A2.24
Net-(A2-GPIO19): length 155.1
  Top w0.2: v1(220.85,69.95) 220.86,69.94 220.86,49.11 219.83,48.08 219.83,39.29 236.19,22.92 243.48,22.92 246.74,19.66 248.92,19.66 251.53,17.06 268.71,17.06 284.56,32.9 284.56,37.21 285.1,37.75 U2.11 ; A2.25 234.22,97.81 234.22,94.18 233.23,93.2 230.42,93.2 230.39,93.17 230.39,79.23 v1(224.56,73.4)
  Bottom w0.2: v1(220.85,69.95) 221.11,69.95 v1(224.56,73.4)
Net-(A2-GPIO26_ADC0): length 59.7
  Top w0.2: J2.B6 212.65,65.1 213.5,65.95 J2.A6 214.14,65.95 v1(214.74,65.35)
  Bottom w0.2: A2.31 230.22,113.67 230.22,91.81 227.22,88.81 227.22,78.09 214.74,65.62 v1(214.74,65.35)
Net-(A2-GPIO27_ADC1): length 61.6
  Bottom w0.2: J2.B7 212.65,65.95 213.5,65.1 J2.A7 213.65,65.1 226.81,78.27 226.81,89 229.82,92.01 229.82,115.81 A2.32
Net-(D1-A): length 3.5
  Bottom w0.2: SW1.2 41.24,132.18 D1.2
Net-(D2-A): length 3.5
  Bottom w0.2: D2.2 60.29,132.18 SW2.2
Net-(D3-A): length 3.5
  Bottom w0.2: D3.2 79.34,136.94 SW3.2
Net-(D4-A): length 3.5
  Bottom w0.2: SW4.2 98.39,141.71 D4.2
Net-(D5-A): length 3.5
  Bottom w0.2: D5.2 117.44,136.94 SW5.2
Net-(D6-A): length 3.5
  Bottom w0.2: D6.2 136.49,132.18 SW6.2
Net-(D7-A): length 3.5
  Bottom w0.2: SW7.2 155.54,132.18 D7.2
Net-(D8-A): length 3.6
  Bottom w0.2: SW8.2 41,113.13 D8.2
Net-(D9-A): length 3.8
  Bottom w0.2: SW9.2 59.69,113.13 D9.2
Net-(D10-A): length 3.5
  Bottom w0.2: SW10.2 79.34,117.89 D10.2
Net-(D11-A): length 3.5
  Bottom w0.2: D11.2 98.39,122.66 SW11.2
Net-(D12-A): length 3.6
  Bottom w0.2: SW12.2 117.2,117.89 D12.2
Net-(D13-A): length 3.5
  Bottom w0.2: SW13.2 136.49,113.13 D13.2
Net-(D14-A): length 3.6
  Bottom w0.2: D14.2 155.3,113.13 SW14.2
Net-(D15-A): length 3.5
  Bottom w0.2: SW15.2 41.24,94.08 D15.2
Net-(D16-A): length 3.5
  Bottom w0.2: SW16.2 60.29,94.08 D16.2
Net-(D17-A): length 3.5
  Bottom w0.2: D17.2 79.34,98.84 SW17.2
Net-(D18-A): length 3.6
  Bottom w0.2: SW18.2 98.15,103.61 D18.2
Net-(D19-A): length 3.6
  Bottom w0.2: D19.2 117.2,98.84 SW19.2
Net-(D20-A): length 3.5
  Bottom w0.2: D20.2 136.49,94.08 SW20.2
Net-(D21-A): length 3.5
  Bottom w0.2: D21.2 155.54,94.08 SW21.2
Net-(D22-A): length 3.5
  Bottom w0.2: D22.2 41.24,75.03 SW22.2
Net-(D23-A): length 3.5
  Bottom w0.2: SW23.2 60.29,75.03 D23.2
Net-(D24-A): length 3.5
  Bottom w0.2: SW24.2 79.34,79.79 D24.2
Net-(D25-A): length 3.5
  Bottom w0.2: D25.2 98.5,84.56 SW25.2
Net-(D26-A): length 3.5
  Bottom w0.2: D26.2 117.55,79.79 SW26.2
Net-(D27-A): length 3.5
  Bottom w0.2: SW27.2 136.6,75.03 D27.2
Net-(D28-A): length 4.1
  Bottom w0.2: D28.2 156.25,75.03 SW28.2
Net-(D29-A): length 3.5
  Bottom w0.2: D29.2 41.24,55.98 SW29.2
Net-(D30-A): length 3.5
  Bottom w0.2: D30.2 60.29,55.98 SW30.2
Net-(D31-A): length 3.6
  Bottom w0.2: SW31.2 79.1,60.74 D31.2
Net-(D32-A): length 3.5
  Bottom w0.2: D32.2 98.5,65.51 SW32.2
Net-(D33-A): length 3.6
  Bottom w0.2: SW33.2 117.2,60.74 D33.2
Net-(D34-A): length 4.3
  Bottom w0.2: SW34.2 131.34,47.33 D34.2
Net-(D35-K): length 147
  Bottom w0.2: S1.1 144.86,34.48 139.75,29.37 128.89,29.37 125.36,32.9 125.36,38.61 118.22,45.75 96.83,45.75 95.25,47.33 70.25,47.33 66.36,43.44 50.6,43.44 47.63,40.47 35.08,40.47 D35.1
Net-(D36-K): length 136.6
  Bottom w0.2: S1.4 172.05,40.78 171.53,40.27 171.53,38.06 165.33,31.85 143.47,31.85 140.19,28.56 128.56,28.56 124.42,32.7 124.42,38.4 120.25,42.57 53.23,42.57 D36.1
Net-(D37-K): length 124.8
  Bottom w0.2: S1.6 167.98,49.33 167.98,35.06 165.69,32.78 143.73,32.78 139.92,28.97 128.72,28.97 124.96,32.73 124.96,38.44 118.05,45.35 72.23,45.35 D37.1
